# Altium PCB Iris.PcbDoc (part 9 of 13)
Units mm, origin at the board's own origin, x right, y up, seen from the top; angles counter-clockwise.
Board outline 100 x 72 mm, 6 copper layers (Top Layer, PowerPlane1, MidLayer1, MidLayer2, PowerPlane2, Bottom Layer), stack 1.561 mm thick; 396 components, 379 nets, 1616 pads, 658 vias.
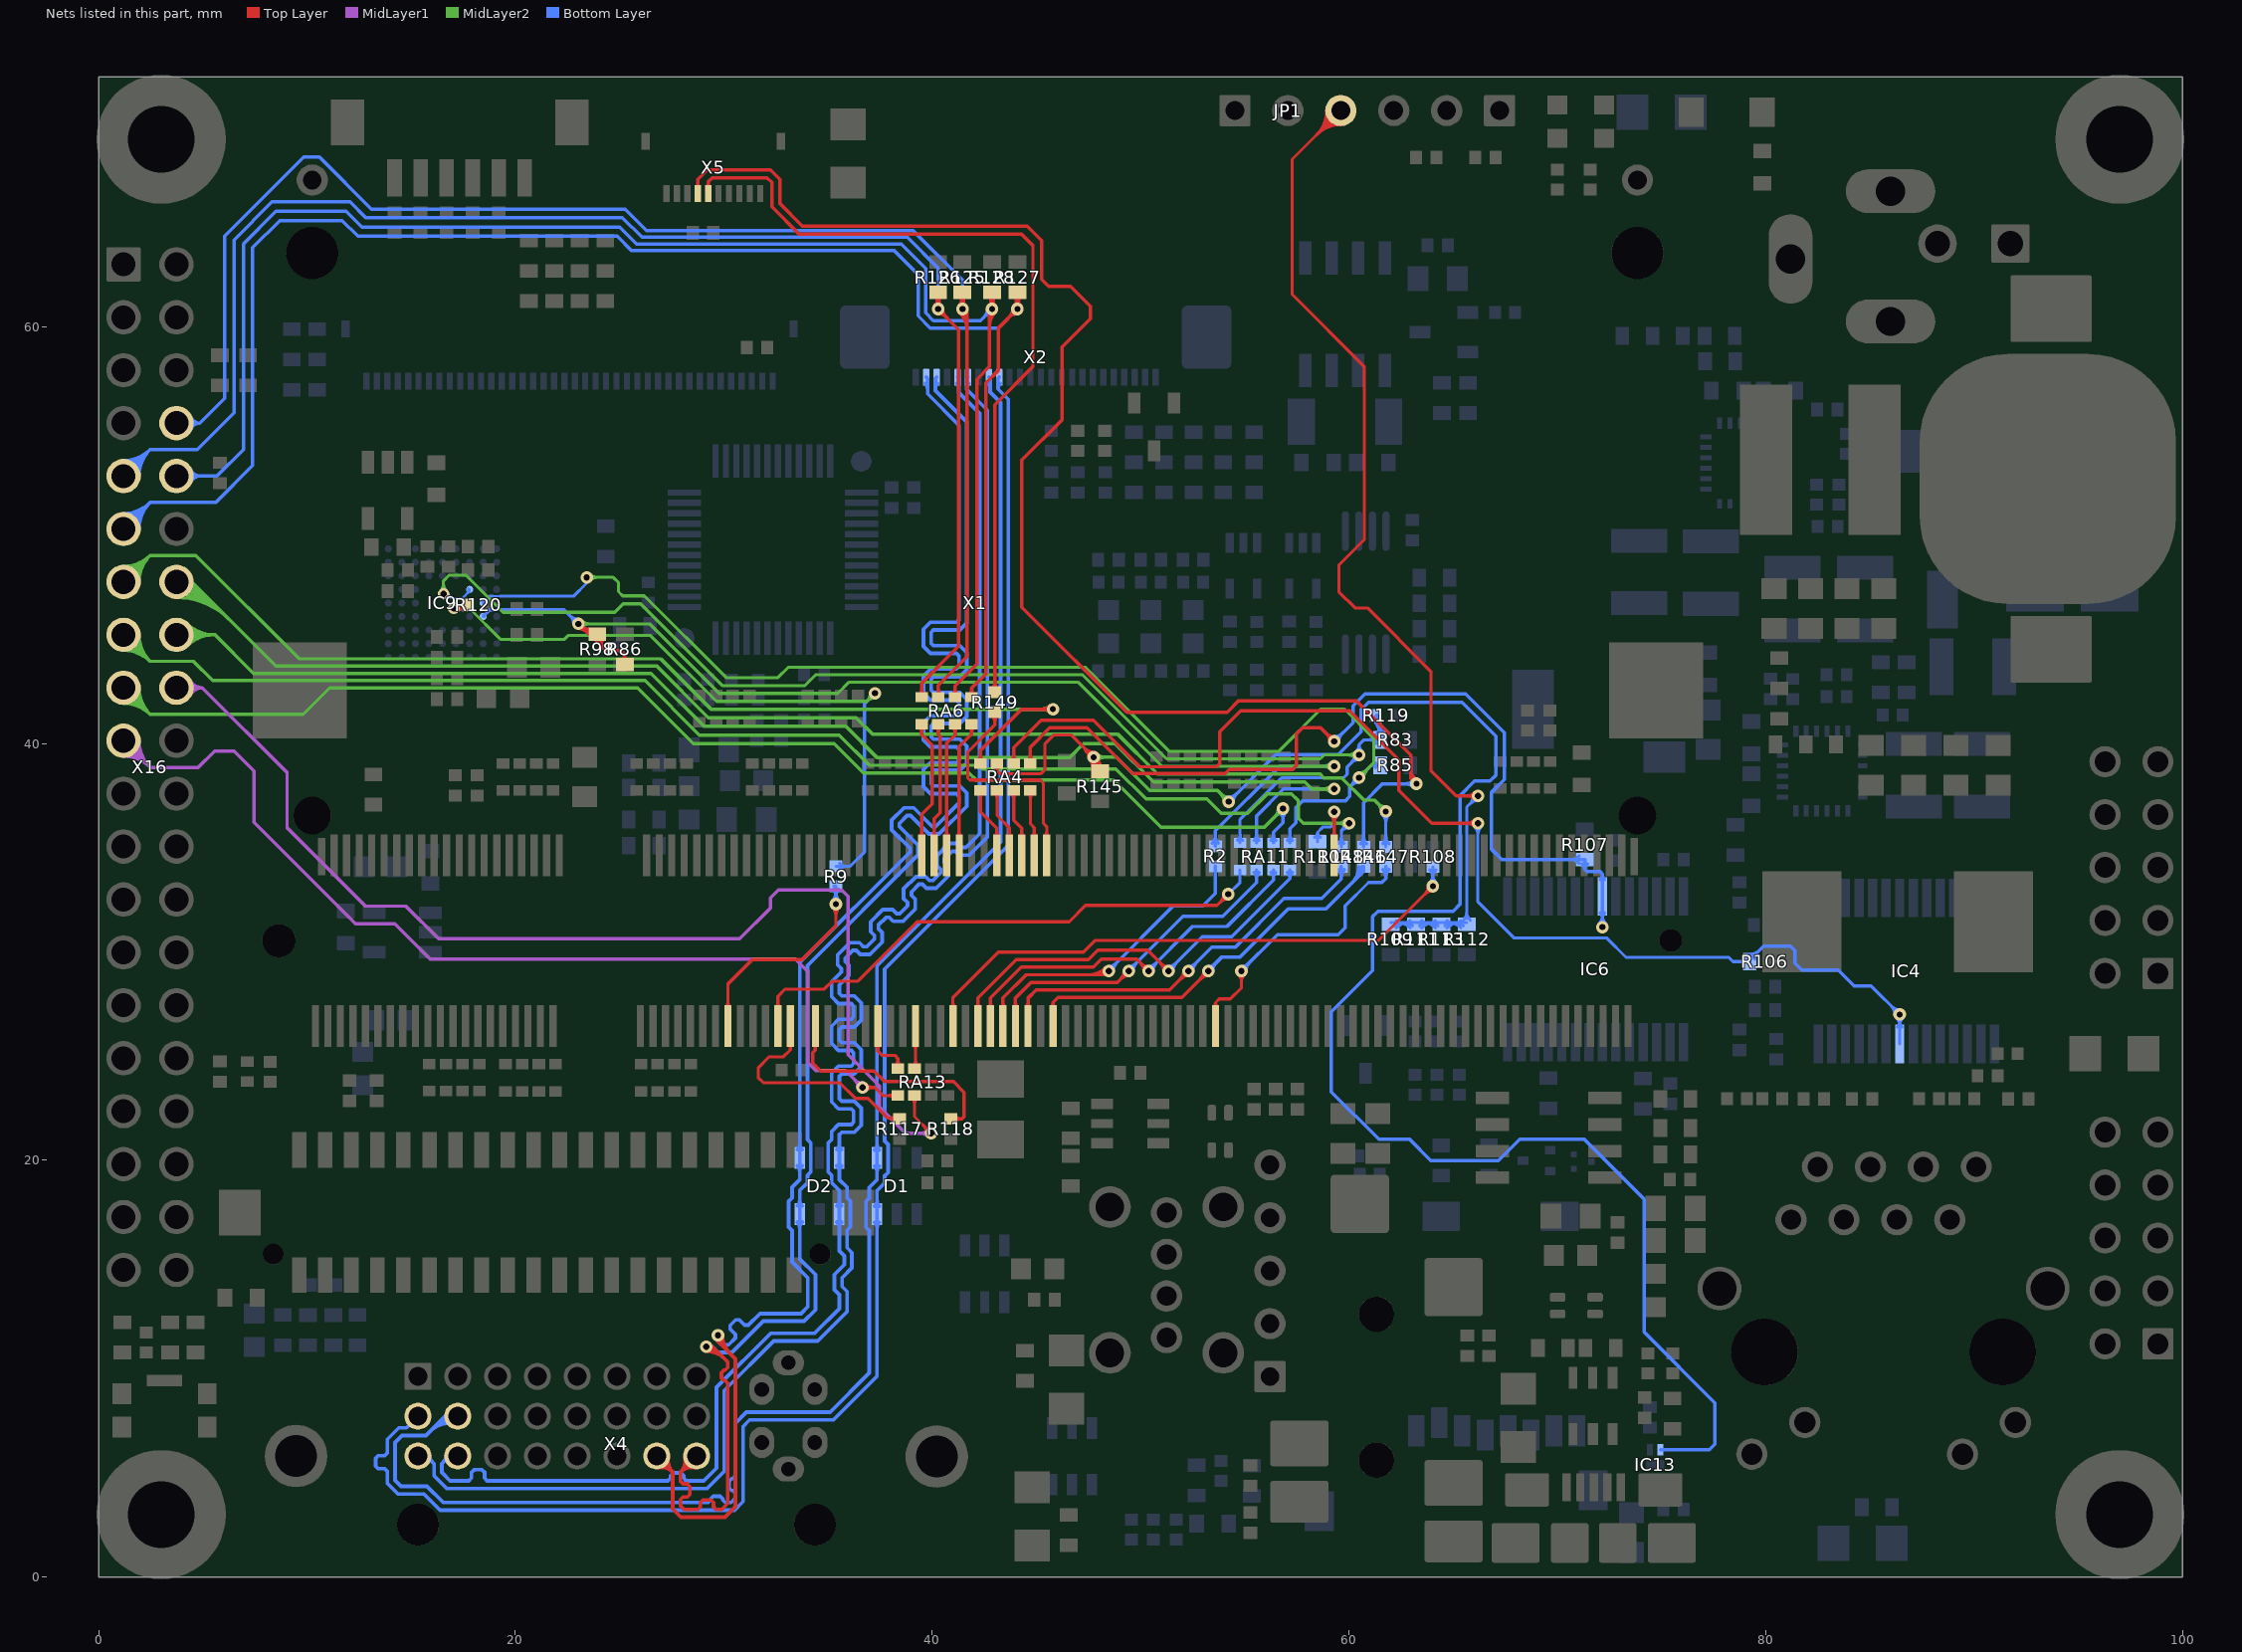
[diagram p13: the nets of this part, all layers, seen from the top]

## Via types
v1: diameter 0.6, hole 0.3, Top Layer to Bottom Layer, tented both sides, 651 vias
v2: diameter 0.55, hole 0.3, Top Layer to Bottom Layer, tented both sides, 7 vias

## Nets (pads, with @x,y where several pads share a name; then routed paths per layer and width w, separated by ;. In a path a pad name is that pad's centre, name@x,y a point inside that pad or via, vN(x,y) a via of type N, cw(c..) or ccw(c..) an arc to the next point about the centre after c; other vN are vias at no path point) (continued)
SODIMM_55: IC9.E7 R9.2 R120.2 | length 41.1
  Top Layer w0.15: v2@17.181,46.625 ccw(c17.316,46.761) 17.366,46.576 ccw(c17.412,46.402) v2@17.236,46.44 ; v2@17.182,46.341 cw(c17.524,45.999) 17.524,46.482 cw(c17.524,46.965) v2@17.182,46.623 ; v2@17.207,46.594 ccw(c17.373,46.706) 17.425,46.512 ; v2@17.214,46.382 cw(c17.425,46.26) 17.362,46.495 ; v2@17.312,46.482 ccw(c17.312,46.943) R120.2@17.683,46.67 ; R120.2@17.563,46.759 cw(c17.016,47.16) 17.016,46.482 17.554,46.482 R120.2@17.732,46.66
  MidLayer2 w0.15: v2@17.016,46.482 17.805,46.482 19.279,45.009 22.352,45.009 22.53,45.187 26.492,45.187 29.65,42.028 36.872,42.028 v1(37.262,42.418) ; v2@17.182,46.341 cw(c17.524,45.999) 17.524,46.482 cw(c17.524,46.965) v2@17.182,46.623 ; v1@37.037,42.418 cw(c36.494,42.418) 36.878,42.034 cw(c37.262,41.65) v1@37.262,42.193
  Bottom Layer w0.15: v2(17.041,46.482) 17.532,46.482 IC9.E7@17.8,46.75 ; v2@17.182,46.341 cw(c17.524,45.999) 17.524,46.482 cw(c17.524,46.965) v2@17.182,46.623 ; R9.2@35.381,34.11 36.065,34.11 36.754,34.798 36.754,41.91 v1(37.262,42.418) ; R9.2@35.554,33.961 cw(c35.913,33.603) 35.913,34.11 cw(c35.913,34.617) R9.2@35.554,34.258 ; 36.878,42.034 ccw(c36.494,42.418) 37.037,42.418 cw(c36.494,42.418) 36.878,42.034 ; 36.878,42.034 cw(c37.262,41.65) 37.262,42.193 ccw(c37.262,41.65) 36.878,42.034
SODIMM_55_S: R9.1 X1.55 | length 13
  Top Layer w0.165: X1.55@30.135,27.387 ccw(c29.977,27.545) 30.2,27.545 ccw(c30.423,27.545) X1.55@30.265,27.387 ; X1.55@30.2,26.446 30.2,28.473 31.369,29.642 33.757,29.642 35.381,31.266 v1(35.381,32.298) ; v1@35.227,32.144 cw(c34.856,31.773) 35.381,31.773 cw(c35.906,31.773) v1@35.535,32.144
  Bottom Layer w0.165: v1@35.227,32.452 ccw(c34.856,32.823) 35.381,32.823 ccw(c35.906,32.823) v1@35.535,32.452 ; R9.1@35.238,33.006 cw(c34.892,32.661) 35.381,32.661 cw(c35.87,32.661) R9.1@35.524,33.006 ; R9.1@35.3,33.166 R9.1@35.306,33.172 ; v1(35.381,32.298) R9.1@35.381,33.166
SODIMM_63: IC9.F7 R83.1 R119.2 RA11.8 | length 71.2
  MidLayer2 w0.15: v2@16.407,47.321 ccw(c16.065,47.662) 16.548,47.662 ccw(c17.031,47.662) v2@16.69,47.321 ; v2(16.548,47.179) 16.548,47.816 16.815,48.082 17.628,48.082 19.406,46.304 24.765,46.304 25.171,46.711 26.01,46.711 29.932,42.788 33.898,42.788 34.417,43.307 47.215,43.307 51.254,39.268 58.623,39.268 58.813,39.458 v1(60.494,39.458) ; v1@60.335,39.299 ccw(c59.951,38.915) 59.951,39.458 ccw(c59.951,40.002) v1@60.335,39.617
  Bottom Layer w0.105: v2(16.548,47.179) 16.738,46.99 17.475,46.99 17.8,47.315 IC9.F7@17.8,47.4 ; v2@16.594,47.273 ccw(c17.056,47.485) 16.942,46.99 ; v2@16.721,47.273 ccw(c17.183,47.485) 17.069,46.99 ; 17.59,47.105 ccw(c17.244,47.451) IC9.F7@17.733,47.451 ; 17.718,47.233 ccw(c17.552,47.4) IC9.F7@17.788,47.4
  Bottom Layer w0.15: RA11.8@54.775,35.234 54.775,36.36 56.769,38.354 59.741,38.354 59.919,38.532 59.919,38.883 v1(60.494,39.458) 60.494,39.945 ; v1@60.269,39.458 cw(c59.726,39.458) 60.11,39.074 cw(c60.494,38.69) v1@60.494,39.233 ; v1@60.348,39.63 ccw(c60.08,39.945) 60.494,39.945 ; v1@60.64,39.63 cw(c60.908,39.945) 60.494,39.945 ; R119.2@61.144,41.178 cw(c60.274,40.307) R83.1@61.505,40.307 ; R119.2@61.25,41.284 cw(c60.636,40.669) 61.505,40.669 ; R119.2@61.293,41.351 61.505,41.139 R83.1@61.505,40.183 60.731,40.183 60.494,39.945 ; R83.1@61.328,40.006 ccw(c60.901,39.579) 60.901,40.183 ccw(c60.901,40.786) R83.1@61.328,40.36 ; R83.1@61.328,40.46 ccw(c60.901,40.886) 61.505,40.886 ccw(c62.109,40.886) R83.1@61.682,40.46 ; R119.2@61.356,41.39 cw(c60.998,41.031) 61.505,41.031
  Bottom Layer w0.165: RA11.8@54.657,35.353 ccw(c54.371,35.639) 54.775,35.639 ccw(c55.18,35.639) RA11.8@54.894,35.353
SODIMM_63_S: RA11.4 X1.63 | length 27.7
  Top Layer w0.152: X1.63@32.53,27.392 ccw(c32.361,27.56) 32.6,27.56 ccw(c32.839,27.56) X1.63@32.67,27.392 ; X1.63@32.6,26.446 32.6,27.876 32.944,28.219 34.823,28.219 35.193,28.589 36.412,28.589 39.276,31.453 46.581,31.453 47.36,32.233 53.674,32.233 v1(54.217,32.775) ; v1@53.993,32.775 cw(c53.453,32.775) 53.835,32.393 cw(c54.217,32.011) v1@54.217,32.551
  Bottom Layer w0.152: v1(54.217,32.775) 54.775,33.334 RA11.4@54.775,33.934
SODIMM_65: R117.2 X1.65 | length 12.2
  Top Layer w0.152: X1.65@33.13,25.551 cw(c32.961,25.382) 33.2,25.382 cw(c33.439,25.382) X1.65@33.27,25.551 ; X1.65@33.2,26.446 33.2,25.301 32.868,24.968 32.182,24.968 31.648,24.435 31.648,23.978 31.902,23.724 35.56,23.724 36.315,22.969 36.924,22.969 37.86,22.033 ; 37.996,22.033 ccw(c37.996,22.403) R117.2@38.258,22.141 ; R117.2@38.248,21.857 ccw(c37.86,21.519) 37.86,22.033 ; R117.2@38.47,22.033 37.86,22.033
SODIMM_69: R118.2 X1.69 | length 12.6
  Top Layer w0.165: X1.69@34.335,25.556 cw(c34.177,25.398) 34.4,25.398 cw(c34.623,25.398) X1.69@34.465,25.556 ; X1.69@34.4,26.446 34.4,25.307 34.265,25.171 34.265,24.663 34.646,24.282 37.215,24.282 37.723,23.774 41.021,23.774 41.529,23.266 41.529,22.098 41.425,21.994 R118.2@40.894,21.994 ; R118.2@41.062,21.851 cw(c41.408,21.505) 41.408,21.994 cw(c41.408,22.483) R118.2@41.062,22.137
SODIMM_79: RA13.8 X16.19 | length 57.8
  Top Layer w0.15: v1(36.652,23.495) 37.262,23.495 37.647,23.11 RA13.8@38.355,23.11 ; v1@36.811,23.336 cw(c37.195,22.952) 37.195,23.495 cw(c37.195,24.038) v1@36.811,23.654 ; RA13.8@38.181,22.986 ccw(c37.882,22.688) 37.882,23.11 ccw(c37.882,23.532) RA13.8@38.181,23.234
  MidLayer1 w0.165: X16.19@1.191,39.398 cw(c1.191,37.605) 2.458,38.872 cw(c3.726,40.14) X16.19@1.933,40.14 ; X16.19@1.191,39.563 cw(c1.191,38.168) 2.177,39.154 cw(c3.163,40.14) X16.19@1.768,40.14 ; X16.19@1.191,39.728 cw(c1.191,38.732) 1.895,39.436 cw(c2.599,40.14) X16.19@1.603,40.14 ; X16.19@1.191,40.14 2.469,38.862 4.775,38.862 5.563,39.649 6.502,39.649 7.461,38.691 7.461,36.227 12.325,31.363 14.204,31.363 15.905,29.663 33.431,29.663 34.036,29.058 34.036,24.689 34.417,24.308 35.839,24.308 v1(36.652,23.495) ; v1@36.435,23.495 ccw(c35.91,23.495) 36.281,23.866 ccw(c36.652,24.238) v1@36.652,23.713
SODIMM_79_S: RA13.4 X1.79 | length 3.8
  Top Layer w0.152: X1.79@37.33,25.5 cw(c37.161,25.332) 37.4,25.332 cw(c37.639,25.332) X1.79@37.47,25.5 ; X1.79@37.4,26.446 37.4,25.236 37.592,25.044 38.202,25.044 38.355,24.891 RA13.4@38.355,24.41 ; RA13.4@38.232,24.533 ccw(c37.935,24.83) 38.355,24.83 ccw(c38.774,24.83) RA13.4@38.477,24.533
SODIMM_85: RA13.7 X16.18 | length 60.9
  Top Layer w0.15: RA13.7@39.031,22.986 cw(c38.732,22.688) 39.155,22.688 cw(c39.577,22.688) RA13.7@39.278,22.986 ; RA13.7@39.155,23.11 39.155,22.098 v1(39.954,21.298) ; v1@39.729,21.298 ccw(c39.186,21.298) 39.57,21.682 ccw(c39.954,22.066) v1@39.954,21.523
  MidLayer1 w0.165: X16.18@3.731,42.68 4.97,42.68 ; X16.18@4.24,42.408 cw(c4.695,42.164) 4.695,42.68 cw(c4.695,43.196) X16.18@4.24,42.952 ; X16.18@4.386,42.33 cw(c4.97,42.017) 4.97,42.68 ; X16.18@4.386,43.03 ccw(c4.97,43.343) 4.97,42.68 ; v1@39.8,21.144 ccw(c39.429,20.773) 39.429,21.298 ccw(c39.429,21.823) v1@39.8,21.452 ; v1(39.954,21.298) 38.722,21.298 37.465,22.555 37.465,23.571 35.966,25.07 35.966,32.664 35.662,32.969 32.614,32.969 32.233,32.588 32.233,32.106 30.759,30.632 16.307,30.632 14.738,32.201 12.807,32.201 9.042,35.966 9.042,38.608 4.97,42.68
SODIMM_85_S: RA13.3 X1.85 | length 3.1
  Top Layer w0.152: RA13.3@39.05,24.41 39.2,24.56 X1.85@39.2,26.446 ; RA13.3@39.082,24.533 ccw(c38.796,24.819) 39.2,24.819 ; X1.85@39.13,25.5 cw(c38.961,25.332) 39.2,25.332 cw(c39.439,25.332) X1.85@39.27,25.5 ; 39.2,24.841 ccw(c39.635,24.841) RA13.3@39.327,24.533
SODIMM_91_S: R108.1 X1.91 | length 30.4
  Top Layer w0.152: X1.91@40.93,27.392 ccw(c40.761,27.56) 41,27.56 ccw(c41.239,27.56) X1.91@41.07,27.392 ; X1.91@41,26.446 41,27.817 43.176,29.994 47.266,29.994 47.828,30.556 61.434,30.556 v1(64.033,33.156) ; v1@63.81,33.156 cw(c63.269,33.156) 63.651,32.774 cw(c64.033,32.392) v1@64.033,32.932
  Bottom Layer w0.152: v1@63.875,33.314 ccw(c63.493,33.696) 64.033,33.696 ccw(c64.574,33.696) v1@64.192,33.314 ; R108.1@63.886,33.942 cw(c63.529,33.585) 64.033,33.585 cw(c64.537,33.585) R108.1@64.181,33.942 ; v1(64.033,33.156) R108.1@64.033,34.089
SODIMM_95: IC9.E8 R85.1 RA11.5 | length 62.9
  MidLayer2 w0.15: v1(23.419,47.981) 24.689,47.981 24.943,47.727 24.943,47.295 25.146,47.092 26.187,47.092 30.111,43.168 32.602,43.168 33.096,43.663 47.362,43.663 51.401,39.624 56.617,39.624 58.649,41.656 59.792,41.656 61.189,40.259 61.189,39.061 v1(60.494,38.366) ; v1@23.578,47.822 cw(c23.962,47.437) 23.962,47.981 cw(c23.962,48.524) v1@23.578,48.14 ; v1@60.494,38.591 ccw(c60.494,39.135) 60.878,38.75 ccw(c61.262,38.366) v1@60.719,38.366
  Bottom Layer w0.105: 18.924,47.075 19.276,47.075
  Bottom Layer w0.15: IC9.E8@18.45,46.75 18.775,47.075 18.924,47.075 ; IC9.E8@18.45,46.82 ccw(c18.45,46.989) 18.569,46.869 ccw(c18.689,46.75) IC9.E8@18.52,46.75 ; 19.276,47.075 22.793,47.075 23.419,47.701 v1(23.419,47.981) ; v1(60.494,38.366) 61.091,38.964 ; v1@60.494,38.591 ccw(c60.494,39.135) 60.878,38.75 ccw(c61.262,38.366) v1@60.719,38.366 ; R85.1@61.284,38.847 ccw(c61.091,38.746) 61.091,38.964 ; R85.1@61.284,39.08 cw(c61.091,39.181) 61.091,38.964 ; R85.1@61.505,38.964 61.091,38.964
  Bottom Layer w0.165: RA11.5@57.057,35.353 ccw(c56.771,35.639) 57.175,35.639 ccw(c57.58,35.639) RA11.5@57.294,35.353 ; RA11.5@57.175,35.234 57.175,35.916 57.455,36.195 57.455,36.932 57.785,37.262 59.842,37.262 60.046,37.465 60.046,37.918 v1(60.494,38.366) ; v1@60.276,38.366 cw(c59.751,38.366) 60.122,37.995 cw(c60.494,37.624) v1@60.494,38.149
SODIMM_95_S: RA11.1 X1.95 | length 22.6
  Top Layer w0.165: X1.95@42.135,27.387 ccw(c41.977,27.545) 42.2,27.545 ccw(c42.423,27.545) X1.95@42.265,27.387 ; X1.95@42.2,26.446 42.2,27.798 44.037,29.635 47.491,29.635 47.945,30.089 50.334,30.089 v1(51.34,29.083) ; v1@51.123,29.083 ccw(c50.598,29.083) 50.969,29.454 ccw(c51.34,29.826) v1@51.34,29.301
  Bottom Layer w0.165: v1@51.34,29.108 52.961,30.729 54.376,30.729 57.175,33.528 RA11.1@57.175,33.934 ; v1@51.34,29.301 ccw(c51.34,29.764) 51.668,29.436 ; v1@51.558,29.083 cw(c52.144,29.083) 51.729,29.498 ; RA11.1@57.057,33.816 cw(c56.771,33.53) 57.175,33.53 cw(c57.58,33.53) RA11.1@57.294,33.816
SODIMM_97: RA11.6 X16.17 | length 70.5
  MidLayer2 w0.165: X16.17@1.191,41.938 cw(c1.191,40.145) 2.458,41.412 cw(c3.726,42.68) X16.17@1.933,42.68 ; X16.17@1.191,42.103 cw(c1.191,40.708) 2.177,41.694 cw(c3.163,42.68) X16.17@1.768,42.68 ; X16.17@1.191,42.268 cw(c1.191,41.272) 1.895,41.976 cw(c2.599,42.68) X16.17@1.603,42.68 ; X16.17@1.191,42.68 2.461,41.41 9.812,41.41 11.074,42.672 25.857,42.672 28.537,39.992 35.306,39.992 36.7,38.599 41.767,38.599 42.113,38.252 48.717,38.252 50.978,35.992 55.944,35.992 v1(56.833,36.881) ; v1@56.615,36.881 cw(c56.09,36.881) 56.461,36.51 cw(c56.833,36.138) v1@56.833,36.663
  Bottom Layer w0.165: RA11.6@56.257,35.353 ccw(c55.971,35.639) 56.375,35.639 ccw(c56.78,35.639) RA11.6@56.494,35.353 ; RA11.6@56.375,35.234 56.375,35.751 56.833,36.208 v1(56.833,36.881) ; v1@56.679,36.727 cw(c56.308,36.356) 56.833,36.356 cw(c57.358,36.356) v1@56.986,36.727
SODIMM_97_S: RA11.2 X1.97 | length 21.1
  Top Layer w0.165: X1.97@42.735,27.387 ccw(c42.577,27.545) 42.8,27.545 ccw(c43.023,27.545) X1.97@42.865,27.387 ; X1.97@42.8,26.446 42.8,27.798 44.272,29.27 47.736,29.27 48.121,29.655 49.812,29.655 v1(50.385,29.083) ; v1@50.167,29.083 ccw(c49.642,29.083) 50.013,29.454 ccw(c50.385,29.826) v1@50.385,29.301
  Bottom Layer w0.165: v1@50.385,29.108 52.498,31.222 54.15,31.222 56.375,33.447 RA11.2@56.375,33.934 56.375,33.574 ; v1@50.385,29.301 ccw(c50.385,29.764) 50.712,29.436 ; v1@50.602,29.083 cw(c51.188,29.083) 50.774,29.498 ; RA11.2@56.267,33.806 cw(c56.071,33.574) 56.375,33.574 ; RA11.2@56.483,33.806 ccw(c56.679,33.574) 56.375,33.574
SODIMM_98: RA4.5 X16.13 | length 61.9
  Top Layer w0.165: RA4.5@42.198,39.164 ccw(c41.912,39.45) 42.316,39.45 ccw(c42.721,39.45) RA4.5@42.435,39.164 ; RA4.5@42.316,39.148 42.316,39.675 44.298,41.656 v1(45.796,41.656) ; v1@45.642,41.502 ccw(c45.271,41.131) 45.271,41.656 ccw(c45.271,42.181) v1@45.642,41.81
  MidLayer2 w0.165: X16.13@1.191,47.76 2.461,49.03 4.666,49.03 9.627,44.069 26.975,44.069 29.388,41.656 v1(45.796,41.656) ; X16.13@1.191,48.172 ccw(c1.191,49.168) 1.895,48.464 ccw(c2.599,47.76) X16.13@1.603,47.76 ; X16.13@1.191,48.338 ccw(c1.191,49.732) 2.177,48.746 ccw(c3.163,47.76) X16.13@1.768,47.76 ; X16.13@1.191,48.503 ccw(c1.191,50.295) 2.458,49.028 ccw(c3.726,47.76) X16.13@1.933,47.76 ; v1@45.642,41.502 ccw(c45.271,41.131) 45.271,41.656 ccw(c45.271,42.181) v1@45.642,41.81
SODIMM_98_S: RA4.1 X1.98 | length 3.9
  Top Layer w0.152: RA4.1@42.316,37.848 42.316,36.728 43.1,35.945 X1.98@43.1,34.646 ; X1.98@43.03,35.592 ccw(c42.861,35.76) 43.1,35.76 ccw(c43.339,35.76) X1.98@43.17,35.592
SODIMM_99: IC9.D8 R2.2 R86.1 R98.1 | length 68.6
  Top Layer w0.15: v1@23.019,45.52 cw(c23.019,44.977) 23.403,45.361 cw(c23.787,45.745) v1@23.244,45.745 ; 23.468,45.384 ccw(c23.495,45.657) R98.1@23.669,45.445 ; R98.1@23.82,45.025 cw(c23.74,44.856) 23.927,44.856 ; R98.1@23.858,45.359 ccw(c24.188,45.148) 23.911,44.872 ; R98.1@23.985,45.278 ccw(c24.349,45.046) 24.044,44.74 ; R98.1@24.034,45.025 ccw(c24.114,44.856) 23.927,44.856 ; R98.1@24.111,45.197 ccw(c24.511,44.943) 24.176,44.608 ; R98.1@24.238,45.117 ccw(c24.672,44.84) 24.308,44.475 ; R86.1@25.111,44.009 ccw(c24.936,44.27) 25.25,44.27 ; R86.1@25.25,43.776 25.25,44.27 ; R86.1@25.389,44.009 cw(c25.564,44.27) 25.25,44.27 ; v1(23.019,45.745) ccw(c23.644,46.371) 23.786,45.498 cw(c23.644,46.371) v1(23.019,45.745) ; v1(23.019,45.745) 23.513,45.251 R98.1@23.927,45.251 23.927,44.856 ; 23.927,44.856 24.308,44.475 ; 24.308,44.475 25.044,44.475 25.25,44.27 ; v1@23.226,45.538 ccw(c23.702,46.015) 23.811,45.35 cw(c23.702,46.015) v1@23.226,45.538 ; 23.432,45.332 ccw(c23.76,45.659) 23.835,45.202 cw(c23.76,45.659) 23.432,45.332
  MidLayer2 w0.15: v1(23.019,45.745) 26.441,45.745 29.778,42.408 35.474,42.408 36.017,42.951 46.99,42.951 51.029,38.912 v1(59.3,38.912) ; v1@23.178,45.586 cw(c23.562,45.202) 23.562,45.745 cw(c23.562,46.289) v1@23.178,45.904 ; v1@59.141,38.753 ccw(c58.757,38.369) 58.757,38.912 ccw(c58.757,39.456) v1@59.141,39.071
  Bottom Layer w0.105: 18.924,46.425 19.276,46.425
  Bottom Layer w0.15: IC9.D8@18.45,46.1 18.775,46.425 18.924,46.425 ; IC9.D8@18.45,46.17 ccw(c18.45,46.339) 18.569,46.219 ccw(c18.689,46.1) IC9.D8@18.52,46.1 ; 19.276,46.425 22.339,46.425 v1(23.019,45.745) ; v1@22.794,45.745 ccw(c22.25,45.745) 22.634,46.129 ccw(c23.019,46.514) v1@23.019,45.97
  Bottom Layer w0.165: R2.2@53.451,35.218 ccw(c53.105,35.564) 53.594,35.564 ccw(c54.083,35.564) R2.2@53.737,35.218 ; R2.2@53.594,35.075 53.594,35.814 56.692,38.912 v1(59.3,38.912) ; v1@59.146,38.759 ccw(c58.775,38.387) 58.775,38.912 ccw(c58.775,39.437) v1@59.146,39.066
SODIMM_99_S: R2.1 X1.99 | length 17.6
  Top Layer w0.165: X1.99@43.335,27.387 ccw(c43.177,27.545) 43.4,27.545 ccw(c43.623,27.545) X1.99@43.465,27.387 ; X1.99@43.4,26.446 43.4,27.798 44.507,28.905 48.27,28.905 v1@48.473,29.108 ; 47.519,28.905 ccw(c47.519,30.037) v1@48.32,29.237 ; 47.917,28.905 ccw(c47.917,29.639) v1@48.436,29.12
  Bottom Layer w0.165: v1@48.473,29.108 51.572,32.207 52.984,32.207 53.594,32.817 R2.1@53.594,34.115 ; v1@48.473,29.301 ccw(c48.473,29.764) 48.801,29.436 ; v1@48.691,29.083 cw(c49.277,29.083) 48.863,29.498
  other v1: 48.473,29.083
SODIMM_100: IC13.4 R145.1 RA4.6 | length 100.1
  Top Layer w0.152: RA4.6@43.012,38.907 cw(c42.853,38.697) 43.116,38.697 ; RA4.6@43.116,39.046 43.116,38.697 ; RA4.6@43.221,38.907 ccw(c43.38,38.697) 43.116,38.697 ; 47.165,39.95 ccw(c47.892,40.431) v1@47.781,39.567 ; 47.202,39.895 cw(c45.979,38.673) R145.1@47.708,38.673 ; 47.349,39.672 ccw(c47.836,39.994) v1@47.761,39.415 ; 47.431,39.688 ccw(c47.655,39.817) v1@47.707,39.564 ; 47.462,39.635 cw(c46.5,38.673) R145.1@47.86,38.673 ; 47.518,39.537 cw(c47.364,39.449) v1@47.536,39.403 ; v1@47.528,39.345 ccw(c46.988,39.345) 47.37,39.727 ccw(c47.752,40.109) v1@47.752,39.568 ; v1@47.707,39.125 cw(c47.566,38.445) R145.1@48.168,38.792 ; v1@47.709,39.125 cw(c47.635,38.738) 47.976,38.935 cw(c48.285,39.114) v1@47.957,39.256 ; v1@47.722,39.375 cw(c47.02,38.673) R145.1@48.013,38.673 ; v1@47.738,39.275 cw(c47.658,38.89) 47.998,39.086 ; v1@47.79,39.124 cw(c47.842,38.825) 48.057,39.04 ; v1@47.831,39.135 cw(c47.882,39) 48.007,39.072 ; R145.1@47.965,38.904 ccw(c47.91,39.04) 48.057,39.04 ; v1@47.972,39.306 ccw(c48.271,39.254) 48.057,39.04 ; 47.982,39.114 cw(c47.54,38.673) R145.1@48.165,38.673 ; R145.1@48.057,38.673 48.057,39.04 ; R145.1@48.149,38.904 cw(c48.203,39.04) 48.057,39.04 ; 43.116,38.697 43.256,38.557 45.227,38.557 45.415,38.746 45.415,39.99 45.836,40.411 46.685,40.411 48.057,39.04 ; v1@47.968,39.287 ccw(c48.212,39.221) 47.993,39.095 cw(c48.212,39.221) v1@47.968,39.287
  MidLayer2 w0.165: v1(47.752,39.345) 48.844,39.345 50.444,37.744 53.696,37.744 v1@54.077,37.363 ; v1@47.906,39.191 cw(c48.277,38.82) 48.277,39.345 cw(c48.277,39.87) v1@47.906,39.498 ; v1@54.011,37.211 ccw(c53.486,37.211) 53.858,37.582 ccw(c54.229,37.954) v1@54.229,37.429
  Bottom Layer w0.165: v1(54.229,37.211) 56.49,39.472 59.487,39.472 60.596,40.581 60.596,41.648 60.935,41.986 65.43,41.986 67.056,40.361 67.056,38.481 66.777,38.202 66.04,38.202 65.328,37.489 65.328,32.282 64.999,31.953 61.392,31.953 61.138,31.699 61.138,29.117 59.157,27.136 59.157,23.292 61.443,21.006 62.916,21.006 63.932,19.99 67.183,19.99 68.199,21.006 71.298,21.006 74.168,18.136 74.168,11.76 77.572,8.357 77.572,6.375 77.306,6.11 IC13.4@74.951,6.11 ; v1@54.229,37.429 ccw(c54.229,37.954) 54.6,37.582 ccw(c54.972,37.211) v1@54.447,37.211
SODIMM_100_S: RA4.2 X1.100 | length 4.4
  Top Layer w0.152: RA4.2@42.994,37.623 cw(c42.697,37.326) 43.116,37.326 cw(c43.536,37.326) RA4.2@43.239,37.623 ; RA4.2@43.116,37.746 43.116,36.547 43.7,35.963 X1.100@43.7,34.646 ; X1.100@43.63,35.592 ccw(c43.461,35.76) 43.7,35.76 ccw(c43.939,35.76) X1.100@43.77,35.592
SODIMM_101: RA11.7 X16.16 | length 73.6
  MidLayer2 w0.165: X16.16@3.731,45.22 5.58,45.22 7.43,43.37 26.505,43.37 29.051,40.824 35.858,40.824 37.363,39.319 46.584,39.319 47.269,40.005 48.768,40.005 50.622,38.151 57.887,38.151 58.217,37.82 v1(59.3,37.82) ; X16.16@4.023,44.928 cw(c4.727,44.224) 4.727,45.22 cw(c4.727,46.216) X16.16@4.023,45.512 ; X16.16@4.139,44.812 cw(c5.125,43.826) 5.125,45.22 cw(c5.125,46.614) X16.16@4.139,45.628 ; X16.16@4.256,44.695 cw(c5.524,43.427) 5.524,45.22 cw(c5.524,47.013) X16.16@4.256,45.745 ; v1@59.146,37.667 ccw(c58.775,37.295) 58.775,37.82 ccw(c58.775,38.345) v1@59.146,37.974
  Bottom Layer w0.165: RA11.7@55.457,35.353 ccw(c55.171,35.639) 55.575,35.639 ccw(c55.98,35.639) RA11.7@55.694,35.353 ; RA11.7@55.575,35.234 55.575,36.525 56.87,37.82 v1(59.3,37.82) ; v1@59.146,37.667 ccw(c58.775,37.295) 58.775,37.82 ccw(c58.775,38.345) v1@59.146,37.974
SODIMM_101_S: RA11.3 X1.101 | length 18.9
  Top Layer w0.165: X1.101@43.935,27.387 ccw(c43.777,27.545) 44,27.545 ccw(c44.223,27.545) X1.101@44.065,27.387 ; X1.101@44,26.446 44,27.798 44.743,28.541 48.887,28.541 v1(49.429,29.083) ; v1@49.211,29.083 cw(c48.686,29.083) 49.058,28.712 cw(c49.429,28.34) v1@49.429,28.865
  Bottom Layer w0.165: v1@49.429,29.108 52.035,31.714 53.946,31.714 55.575,33.344 RA11.3@55.575,33.934 55.575,33.471 ; v1@49.429,29.301 ccw(c49.429,29.764) 49.757,29.436 ; v1@49.646,29.083 cw(c50.233,29.083) 49.818,29.498 ; RA11.3@55.457,33.816 cw(c55.171,33.53) 55.575,33.53 cw(c55.98,33.53) RA11.3@55.694,33.816
SODIMM_102: IC4.22 R106.2 RA4.7 | length 63.7
  Top Layer w0.165: RA4.7@43.798,39.164 ccw(c43.512,39.45) 43.916,39.45 ccw(c44.321,39.45) RA4.7@44.035,39.164 ; RA4.7@43.916,39.046 43.916,39.802 45.231,41.116 47.733,41.116 49.962,38.887 53.645,38.887 53.803,39.046 53.803,40.57 54.813,41.58 60.046,41.58 62.408,39.218 62.408,37.744 63.97,36.182 v1(66.192,36.182) ; v1@66.039,36.029 ccw(c65.667,35.657) 65.667,36.182 ccw(c65.667,36.707) v1@66.039,36.336